# Altium PCB 4 layers.PcbDoc
Units mm, origin at the board's own origin, x right, y up, seen from the top; angles counter-clockwise.
Board outline 110 x 95 mm, 4 copper layers (Top Layer, Int1, Int2, Bottom Layer), stack 1.386 mm thick; 72 components, 74 nets, 357 pads, 0 vias.
Unrouted connection lines stored in the file: 224.
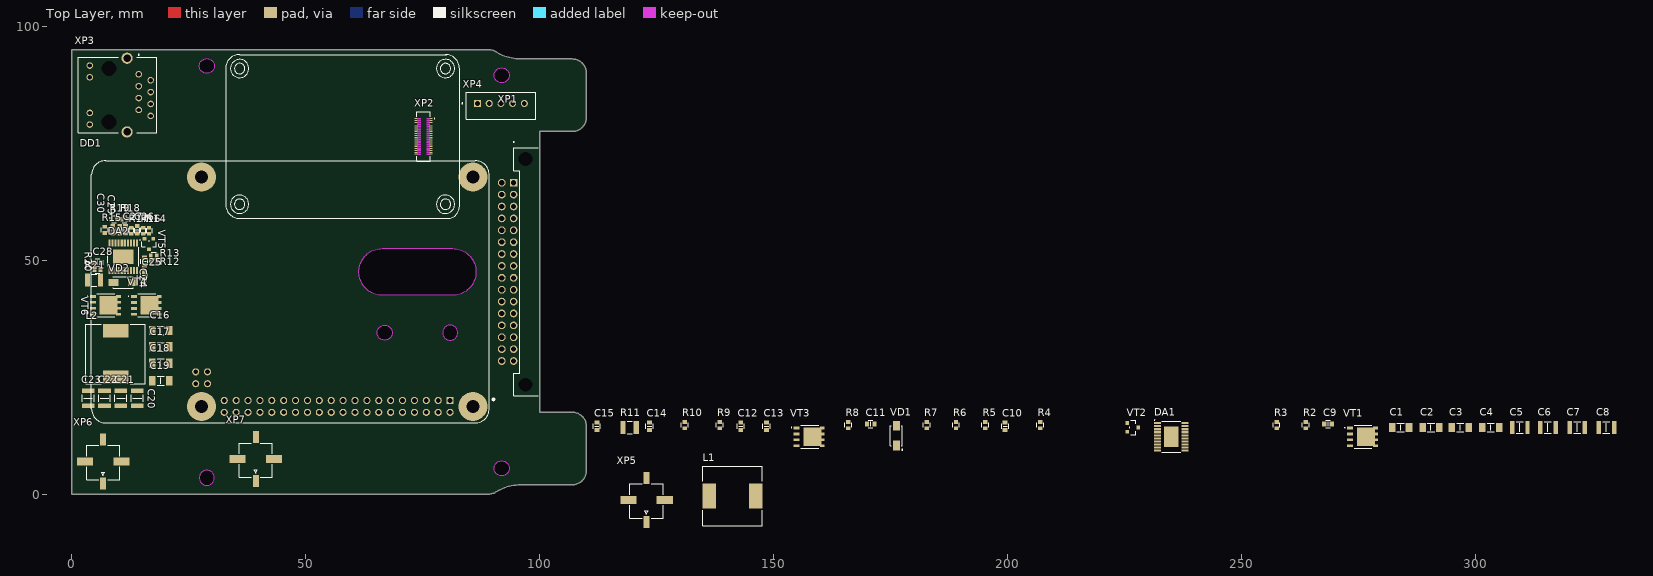
[diagram p0: Top Layer view]
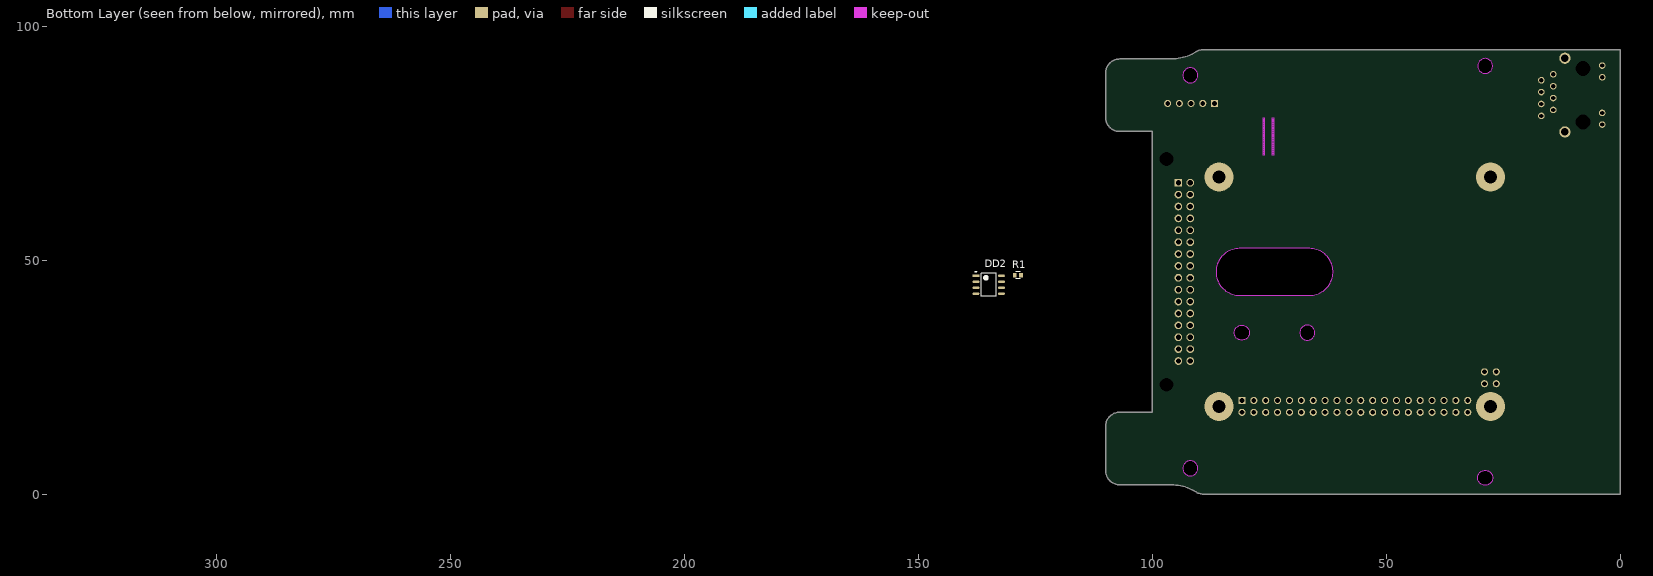
[diagram p1: Bottom Layer view, seen from below]
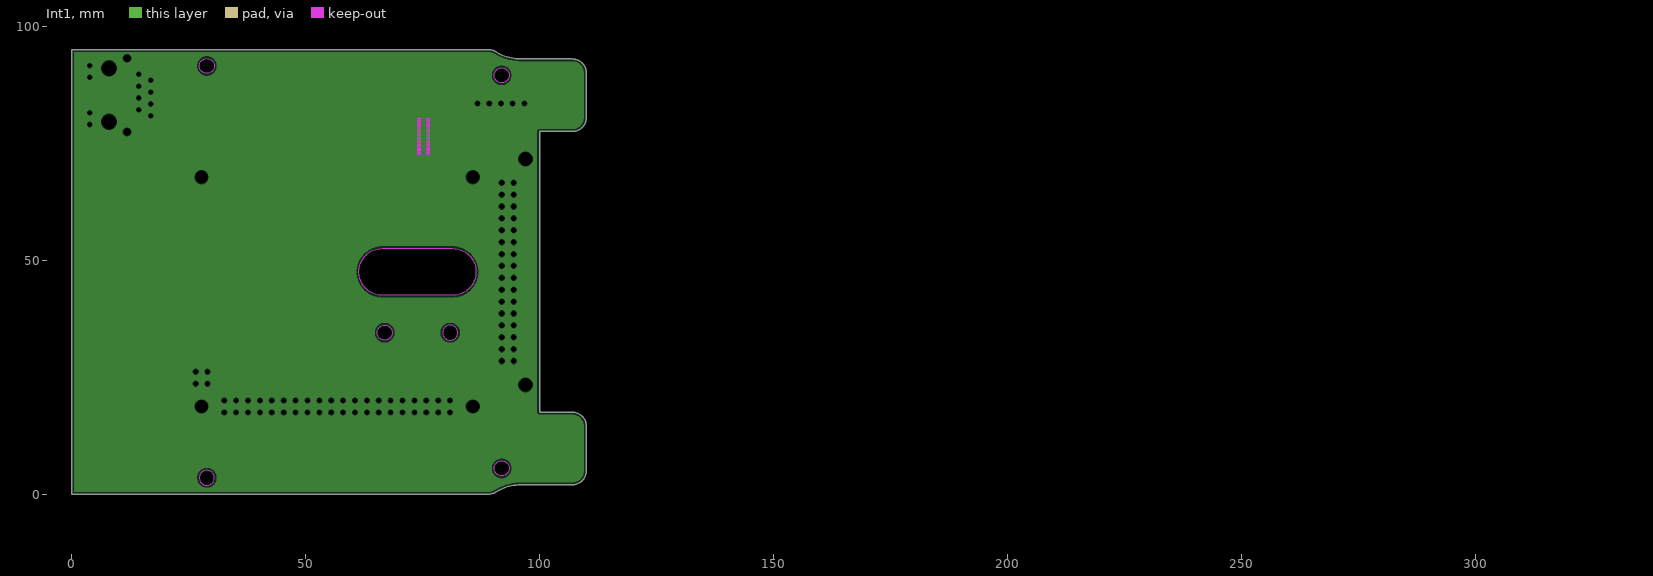
[diagram p2: Int1, clearances drawn from the general rule]
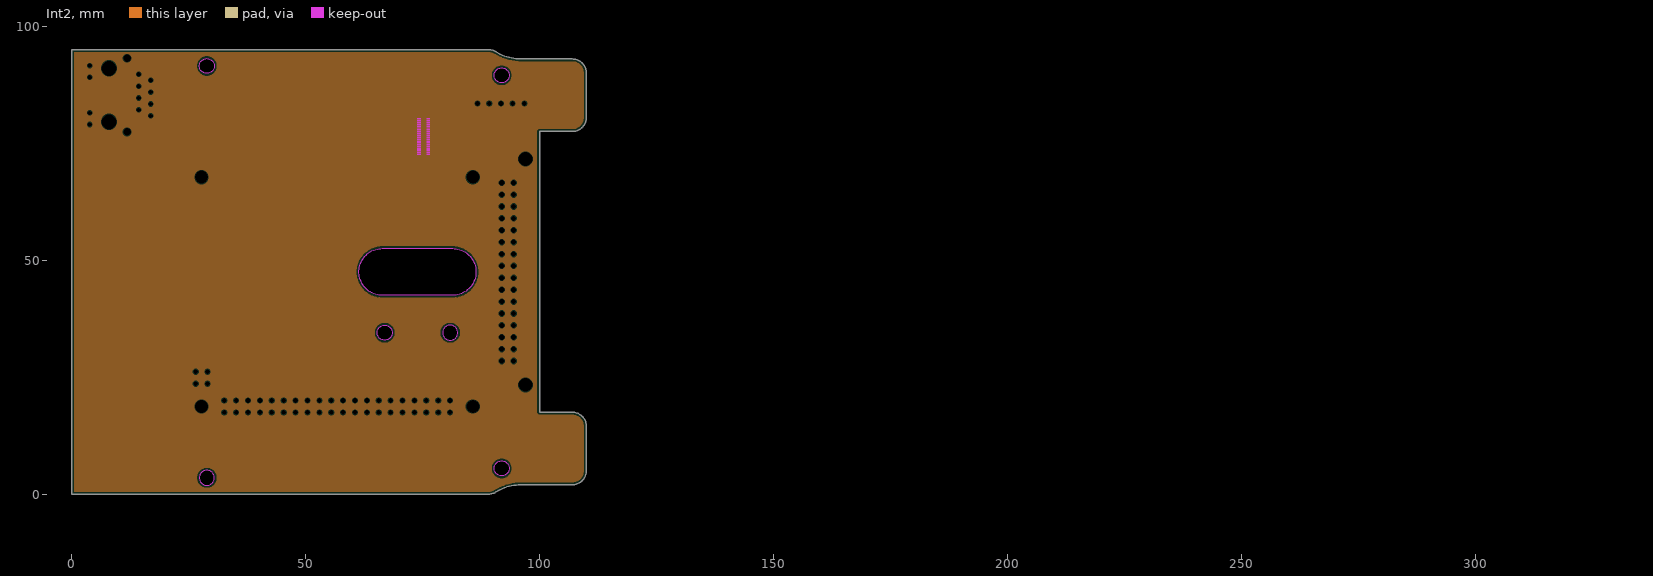
[diagram p3: Int2, clearances drawn from the general rule]

## Layer stack, top to bottom
Top Solder: solder mask 0.0254, SM-001, Dk 3.5
Top Layer: signal copper 0.018
Dielectric 1: prepreg 0.127, FR4, Dk 4.2
Int1: plane copper 0.018
Dielectric 2: core 1.06, FR4 HiTg170, Dk 4.7
Int2: plane copper 0.018
Dielectric 3: prepreg 0.127, FR4, Dk 4.2
Bottom Layer: signal copper 0.018
Bottom Solder: solder mask 0.0254, SM-001, Dk 3.5

## Board outline
0,0 89.072,0 ccw(c89.072,3) 90.671,0.462 cw(c96,-8) 96,2 107,2 ccw(c107,5) 110,5 110,14.5 ccw(c107,14.5) 107,17.5 100,17.5 100,77.5 107,77.5 ccw(c107,80.5) 110,80.5 110,90 ccw(c107,90) 107,93 96,93 cw(c96,103) 90.671,94.538 ccw(c89.072,92) 89.072,95 0,95
cut-out: 90.3,89.5 cw(c91.9,89.5) 91.9,91.1 cw(c91.9,89.5) 93.5,89.5 cw(c91.9,89.5) 91.9,87.9 cw(c91.9,89.5)
cut-out: 66.409,42.5 cw(c66.409,47.5) 66.409,52.5 81.409,52.5 cw(c81.409,47.5) 81.409,42.5
cut-out: 28.9,89.9 cw(c28.9,91.5) 27.3,91.5 cw(c28.9,91.5) 28.9,93.1 cw(c28.9,91.5) 30.5,91.5 cw(c28.9,91.5)
cut-out: 79.309,34.5 ccw(c80.909,34.5) 80.909,32.9 ccw(c80.909,34.5) 82.509,34.5 ccw(c80.909,34.5) 80.909,36.1 ccw(c80.909,34.5)
cut-out: 90.3,5.5 cw(c91.9,5.5) 91.9,7.1 cw(c91.9,5.5) 93.5,5.5 cw(c91.9,5.5) 91.9,3.9 cw(c91.9,5.5)
cut-out: 65.309,34.5 cw(c66.909,34.5) 66.909,36.1 cw(c66.909,34.5) 68.509,34.5 cw(c66.909,34.5) 66.909,32.9 cw(c66.909,34.5)
cut-out: 27.3,3.5 ccw(c28.9,3.5) 28.9,1.9 ccw(c28.9,3.5) 30.5,3.5 ccw(c28.9,3.5) 28.9,5.1 ccw(c28.9,3.5)

## Design rules (kind name [scope] priority, off if disabled: settings)
AcuteAngle [All] p1: minimum=3.50000000000000E+0001 checktracksonly=FALSE
BoardOutlineClearance "BoardOutlineClearance 1" [All] p1: gap=0.25 ignorepadtopadclearanceinfootprint=FALSE except(0: Arc-SplitContinuation Track-SplitContinuation SMDPad-SplitContinuation THPad-SplitContinuation Via-SplitContinuation Fill-SplitContinuation Poly-SplitContinuation Region-SplitContinuation Text-SplitContinuation) // Milling
BoardOutlineClearance "BoardOutlineClearance 2" [All] p2: gap=0.4 ignorepadtopadclearanceinfootprint=FALSE except(0: Arc-SplitContinuation Track-SplitContinuation SMDPad-SplitContinuation THPad-SplitContinuation Via-SplitContinuation Fill-SplitContinuation Poly-SplitContinuation Region-SplitContinuation Text-SplitContinuation) // V-Cut
Clearance "Clearance-1 1/2 Oz" [All] p1: gap=0.125 ignorepadtopadclearanceinfootprint=FALSE except(0.2: Arc-Fill Arc-Poly Track-Fill Track-Poly SMDPad-SMDPad SMDPad-Fill SMDPad-Poly THPad-Fill THPad-Poly Via-Fill Via-Poly Fill-Fill Fill-Poly Poly-Poly Poly-Region Poly-Text; 0.25: Arc-Hole Track-Hole SMDPad-Hole THPad-Hole Via-Hole Fill-Hole Poly-Hole Region-Hole Text-Hole) // Standart
Clearance "Clearance-2 1/2 Oz" [All] p2: gap=0.1 ignorepadtopadclearanceinfootprint=FALSE except(0.15: Arc-Fill Arc-Poly Track-Fill Track-Poly SMDPad-SMDPad SMDPad-Fill SMDPad-Poly THPad-Fill THPad-Poly Via-Fill Via-Poly Fill-Fill Fill-Poly Poly-Poly Poly-Region Poly-Text; 0.25: Arc-Hole Track-Hole SMDPad-Hole THPad-Hole Via-Hole Fill-Hole Poly-Hole Region-Hole Text-Hole) // Advance
DiffPairsRouting DiffPairsRouting_PCIe [InDifferentialPairClass('PCIe')] p1: maxlimit=0.101 minlimit=0.101 mostfreqgap=0.101 toplayer_minwidth=0.1 toplayer_maxwidth=0.1 toplayer_prefwidth=0.1 bottomlayer_minwidth=0.1 bottomlayer_maxwidth=0.1 bottomlayer_prefwidth=0.1 impedanceprofiledriven=TRUE impedanceprofileid={E27F7E04-DA22-4BD8-B395-67B9CAAEB593} impedanceprofilevalue=100.000000 maxuncoupledlength=12.7
DiffPairsRouting DiffPairsRouting_USB [InDifferentialPairClass('USB3.0')] p2: maxlimit=0.127 minlimit=0.127 mostfreqgap=0.127 toplayer_minwidth=0.18 toplayer_maxwidth=0.18 toplayer_prefwidth=0.18 bottomlayer_minwidth=0.18 bottomlayer_maxwidth=0.18 bottomlayer_prefwidth=0.18 impedanceprofiledriven=TRUE impedanceprofileid={974B2C30-D13C-404B-80F3-30DCBE79ECB5} impedanceprofilevalue=90.000000 maxuncoupledlength=12.7
DiffPairsRouting "DiffPairsRouting 1/2 Oz" [All] p3 off: maxlimit=0.254 minlimit=0.1 mostfreqgap=0.254 toplayer_minwidth=0.1 toplayer_maxwidth=0.381 toplayer_prefwidth=0.381 bottomlayer_minwidth=0.1 bottomlayer_maxwidth=0.381 bottomlayer_prefwidth=0.381 maxuncoupledlength=12.7
HoleSize "Minimum HoleSize" [IsPad] p1: absolutevalues=TRUE maxlimit=5.9 minlimit=0.6 maxpercent=80.000 minpercent=20.000
HoleSize "Minimum HoleSize VIA 1" [IsVia] p2: absolutevalues=TRUE maxlimit=5.9 minlimit=0.3 maxpercent=80.000 minpercent=20.000 // Standart
HoleSize "Minimum HoleSize VIA 2" [IsVia] p3: absolutevalues=TRUE maxlimit=5.9 minlimit=0.2 maxpercent=80.000 minpercent=20.000 // Advance
HoleToHoleClearance Hole2HoleClearance [All] p1: gap=0.25 allowstackedmicrovias=FALSE
Length [InNetClass('USB3.0')] p1: maxlimit=65 minlimit=0
MatchedLengths [All] p1: tolerance=0.05 checknetsindiffpair=TRUE checkdiffpairvsdiffpair=FALSE checkxsignals=FALSE checkothers=FALSE phasematching=TRUE phasetolerance=0.1 phasedistance=0.1
MinimumAnnularRing "Minimum AR VIA Standart" [All] p1: minimumring=0.15
MinimumAnnularRing "Minimum AR PAD Standart" [All] p2: minimumring=0.2
MinimumAnnularRing "Minimum AR VIA Advance" [All] p3: minimumring=0.1
MinimumAnnularRing "Minimum AR PAD Advance" [All] p4: minimumring=0.15
MinimumSolderMaskSliver "SolderMask Bridge Standart" [All] p1: minsoldermaskwidth=0.15 // All Masks
MinimumSolderMaskSliver "SolderMask Bridge Advance" [All] p2: minsoldermaskwidth=0.1 // Mask LDI
PlaneClearance "PlaneClearance-1 1/2 Oz" [All] p1: clearance=0.2 // Standart
PlaneClearance "PlaneClearance-2 1/2 Oz" [All] p2: clearance=0.15 // Advance
PlaneConnect "TermalConnect-1 1/2 Oz" [All] p1: planeconnectstyle=Relief reliefexpansion=0.2 reliefentries=4 reliefconductorwidth=0.2 reliefairgap=0.2 // Standart
PlaneConnect "TermalConnect-2 1/2 Oz" [All] p2: pad.planeconnectstyle=Relief pad.reliefexpansion=0.15 pad.reliefentries=4 pad.reliefconductorwidth=0.15 pad.reliefairgap=0.15 via.planeconnectstyle=Direct via.reliefexpansion=0.15 via.reliefentries=4 via.reliefconductorwidth=0.15 via.reliefairgap=0.15 // Advance
PolygonConnect "PolygonConnect-1 1/2 Oz" [All] p1: thpad.connectstyle=Relief thpad.reliefconductorwidth=0.15 thpad.reliefentries=4 thpad.polygonreliefangle="90 Angle" thpad.airgapwidth=0.2 smdpad.connectstyle=Relief smdpad.reliefconductorwidth=0.2 smdpad.reliefentries=4 smdpad.polygonreliefangle="90 Angle" smdpad.airgapwidth=0.2 via.connectstyle=Direct via.reliefconductorwidth=0.254 via.reliefentries=4 via.polygonreliefangle="90 Angle" via.airgapwidth=0.254 // Standart
PolygonConnect "PolygonConnect-2 1/2 Oz" [All] p2: thpad.connectstyle=Relief thpad.reliefconductorwidth=0.125 thpad.reliefentries=4 thpad.polygonreliefangle="90 Angle" thpad.airgapwidth=0.15 smdpad.connectstyle=Relief smdpad.reliefconductorwidth=0.125 smdpad.reliefentries=4 smdpad.polygonreliefangle="90 Angle" smdpad.airgapwidth=0.15 via.connectstyle=Direct via.reliefconductorwidth=0.254 via.reliefentries=4 via.polygonreliefangle="90 Angle" via.airgapwidth=0.254 // Advance
RoomDefinition [InComponentClass('DCDC_RPI') vs False] p1: confinementstyle=ConfineIn formatcopy=TRUE lockcomponents=FALSE outline 1.536,17.73 22.036,17.73 22.036,59.98 1.536,59.98
RoutingCorners [All] p1 off: cornerstyle=45-Degree minsetback=2.54 maxsetback=2.54
RoutingVias [All] p1: holewidth=0.3 width=0.6 viastyle="Through Hole" minholewidth=0.2 minwidth=0.4 maxholewidth=5.9 maxwidth=6.4
SilkToSilkClearance Silk2SilkClearance [All] p1 off: silktosilkclearance=0.15
SilkToSolderMaskClearance Silk2SolderMaskClearance [IsPad] p1 off: minsilkscreentomaskgap=0.15 clearancetoexposedcopper=TRUE
SolderMaskExpansion SolderMaskExpansion-1 [All] p1: expansion=0.05 istentingtop=FALSE // Standart
SolderMaskExpansion "SolderMaskExpansion LDI" [All] p2: expansion=0.025 istentingtop=FALSE // Advance
SupplyNets "Schematic Supply Nets_6" [InNet('+V_BAT')] p1: voltage=0.000
SupplyNets "Schematic Supply Nets_3" [InNet('+12В')] p2: voltage=0.000
SupplyNets "Schematic Supply Nets_1" [InNet('5V')] p3: voltage=0.000
SupplyNets "Schematic Supply Nets_4" [InNet('GND')] p4: voltage=0.000
SupplyNets "Schematic Supply Nets" [InNet('+5В')] p5: voltage=0.000
UnRoutedNet [All] p1: checkbadconnections=TRUE
Width "Width 1/2 Oz" [All] p1: maxlimit=10 minlimit=0.1 preferedwidth=0.125 checkconnectedcopper=TRUE
20 further rules are at their usual default settings.

## Classes and differential pairs
component class Sheet1: DD1 DD2 R1
component class DCDC_RPI: C16 C17 C18 C19 C20 C21 C22 C23 C24 C25 C26 C27 C28 C29 C30 DA2 L2 R12 R13 R14 R15 R16 R17 R18 R19 R20 R21 VD2 VT4 VT5 VT6
component class DCDC_Jetson: C1 C2 C3 C4 C5 C6 C7 C8 C9 C10 C11 C12 C13 C14 C15 DA1 L1 R2 R3 R4 R5 R6 R7 R8 R9 R10 R11 VD1 VT1 VT2 VT3 XP7
component class Connectors: XP1 XP2 XP3 XP4 XP5 XP6
differential pair RS485: +RS485_P -RS485_N
differential pair "ethernet 4": +"ethernet 4_P" -"ethernet 4_N"
differential pair "ethernet 3": +"ethernet 3_P" -"ethernet 3_N"
differential pair "ethernet 2": +"ethernet 2_P" -"ethernet 2_N"
differential pair "ethernet 1": +"ethernet 1_P" -"ethernet 1_N"

## Components (designator, comment, footprint, x,y, rotation, side; value= is the part's Value field where it differs from the comment)
C1 "Capacitor" 1206C 283.999,14.25 r0 top value="2,2 мк"
C2 "Capacitor" 1206C 290.499,14.25 r0 top value="2,2 мк"
C3 "Capacitor" 1206C 296.749,14.25 r0 top value="2,2 мк"
C4 "Capacitor" 1206C 303.249,14.25 r0 top value="2,2 мк"
C5 "Capacitor" 1210C 309.499,14.25 r0 top value="22 мк"
C6 "Capacitor" 1210C 315.499,14.25 r0 top value="22 мк"
C7 "Capacitor" 1210C 321.749,14.25 r0 top value="22 мк"
C8 "Capacitor" 1210C 327.999,14.25 r0 top value="22 мк"
C9 "Capacitor" 0603C 268.499,15 r0 top value="0,1 мк"
C10 "Capacitor" 0603C 199.5,14.5 r90 top value="1 мк"
C11 "Capacitor" 0603C 170.75,15 r0 top value="0,75 н"
C12 "Capacitor" 0603C 143,14.5 r90 top value="10 н"
C13 "Capacitor" 0603C 148.5,14.5 r90 top value="1 мк"
C14 "Capacitor" 0603C 123.5,14.5 r90 top value="0,01 н"
C15 "Capacitor" 0603C 112.25,14.5 r90 top value="0,15 н"
C16 "Capacitor" 1206C 19.036,34.98 r180 top value="2,2 мк"
C17 "Capacitor" 1206C 19.036,31.48 r180 top value="2,2 мк"
C18 "Capacitor" 1206C 19.036,27.98 r180 top value="2,2 мк"
C19 "Capacitor" 1206C 19.036,24.23 r180 top value="2,2 мк"
C20 "Capacitor" 1210C 14.036,20.48 r270 top value="22 мк"
C21 "Capacitor" 1210C 10.536,20.48 r270 top value="22 мк"
C22 "Capacitor" 1210C 7.036,20.48 r270 top value="22 мк"
C23 "Capacitor" 1210C 3.536,20.48 r270 top value="22 мк"
C24 "Capacitor" 0603C 15.536,49.73 r270 top value="0,1 мк"
C25 "Capacitor" 0603C 15.536,46.73 r90 top value="1 мк"
C26 "Capacitor" 0603C 14.036,56.48 r270 top value="0,75 н"
C27 "Capacitor" 0603C 11.536,56.48 r270 top value="10 н"
C28 "Capacitor" 0603C 5.536,49.48 r180 top value="1 мк"
C29 "Capacitor" 0603C 10.286,56.48 r90 top value="0,01 н"
C30 "Capacitor" 0603C 8.786,56.48 r90 top value="0,15 н"
DA1 "LM5116MH" HTSSOP-20 234.999,12.25 r0 top
DA2 "LM5116MH" HTSSOP-20 11.036,50.73 r270 top
DD1 "RPI" RPI 46.75,43.25 r180 top
DD2 "MAX485CSA" SOIC-8 135,44.75 r180 bottom
L1 "CDSPRH127-150M" SPRH127 141,-0.25 r0 top value="15 мк"
L2 "CDSPRH127-150M" SPRH127 9.536,30.23 r270 top value="15 мк"
R1 "Resistor" 0603R 128.75,46.75 r180 bottom value=120
R2 "Resistor" 0603R 263.749,14.75 r90 top value="33 к"
R3 "Resistor" 0603R 257.499,14.75 r90 top value=N/A
R4 "Resistor" 0603R 207,14.75 r90 top value="2,7 к"
R5 "Resistor" 0603R 195.25,14.75 r90 top value="10,7 к"
R6 "Resistor" 0603R 189,14.75 r90 top value="12,4 к"
R7 "Resistor" 0603R 182.75,14.75 r90 top value="470 к"
R8 "Resistor" 0603R 166,14.75 r90 top value="1,21 к"
R9 "Resistor" 0603R 138.5,14.75 r90 top value="180 к"
R10 "Resistor" 0603R 131,14.75 r90 top value="10 к"
R11 "Resistor" 1210R 119.25,14.25 r0 top value="10 м"
R12 "Resistor" 0603R 17.536,49.73 r0 top value="33 к"
R13 "Resistor" 0603R 17.536,50.98 r180 top value=N/A
R14 "Resistor" 0603R 16.536,56.28 r270 top value="2,7 к"
R15 "Resistor" 0603R 7.036,56.48 r270 top value="10,7 к"
R16 "Resistor" 0603R 15.286,56.28 r270 top value="12,4 к"
R17 "Resistor" 0603R 12.786,56.28 r270 top value="470 к"
R18 "Resistor" 0603R 11.286,58.73 r180 top value="1,21 к"
R19 "Resistor" 0603R 9.036,58.73 r0 top value="180 к"
R20 "Resistor" 0603R 5.536,47.98 r180 top value="10 к"
R21 "Resistor" 1210R 4.786,45.73 r0 top value="10 м"
VD1 "ES1D-E3/61T" SMA 176.25,12.5 r90 top
VD2 "ES1D-E3/61T" SMA 11.036,45.23 r180 top
VT1 "SIR426DP-T1-GE3" PowerPAK_SO-8 275.749,12.25 r0 top
VT2 "PDTC114ET" SOT23-3 226.749,14.25 r0 top
VT3 "SIR426DP-T1-GE3" PowerPAK_SO-8 157.5,12.25 r0 top
VT4 "SIR426DP-T1-GE3" PowerPAK_SO-8 15.829,40.345 r0 top
VT5 "PDTC114ET" SOT23-3 16.536,53.48 r270 top
VT6 "SIR426DP-T1-GE3" PowerPAK_SO-8 7.079,40.365 r0 top
XP1 "DIN41612_32_2row_right_angle_father" DIN41612_32_2row_right_angle_father 99.76,47.5 r90 top locked
XP2 "DF40C-40DS" DF40C-40DS 75.21,76.45 r270 top
XP3 "1734577-3" 1-1734577-3-rj45-8p8c 14.35,89.73 r90 top
XP4 "CWF-5" CWF-5 91.75,82.975 r180 top
XP5 "430450218" Molex_430450218 122.865,-1.25 r0 top
XP6 "430450218" Molex_430450218 6.75,7 r0 top
XP7 "430450218" Molex_430450218 39.365,7.5 r0 top

## Footprints (in the part's own frame and the unit in brackets; to place one, negate y for a bottom-side part, rotate by r counter-clockwise, add the part's x,y. Pads: shape width x height; smd on the part's side, far side on the other; paste and mask are expansions set on the pad)
1-1734577-3-rj45-8p8c [mm]
  round 1.4 hole 0.9: 1(0,0) 2(-1.27,-2.54) 3(-2.54,0) 4(-3.81,-2.54) 5(-5.08,0) 6(-6.35,-2.54) 7(-7.62,0) 8(-8.89,-2.54) 9(-10.745,10.46) 10(-8.255,10.46) 11(-0.635,10.46) 12(1.855,10.46)
  round 2.4 hole 1.6: MH1(3.43,2.5) MH2(-12.32,2.5)
  round 0 hole 3.2 unplated: MH3(1.27,6.35) MH4(-10.16,6.35)
  silkscreen extent -12.52,-3.8 4.25,12.9, body extent -12.52,-3.8 3.63,12.9, height 16.55
0603C [mm] "Chip Resistor, 2-Leads, Body 1,40x0,80mm, IPC Medium Density"
  rect 0.9x1.05 smd: 1(-0.8,0) 2(0.8,0)
  silkscreen extent -0.5,-0.77 0.5,0.77, body extent -0.85,-0.45 0.85,0.45, height 0.9
0603R [mm] "Chip Resistor, 2-Leads, Body 1.60x0.85mm, IPC Medium Density"
  rect 0.8x0.95 smd: 1(-0.65,0) 2(0.65,0)
  silkscreen extent -0.5,-0.72 0.5,0.72, body extent -0.87,-0.47 0.88,0.48, height 0.9
1206C [mm]
  rect 1.4x2 smd paste+0: 1(-1.8,0) 2(1.8,0)
  silkscreen extent -0.77,-0.92 0.77,0.92, body extent -1.6,-0.74 1.6,0.86, height 1.59
1210C [mm]
  rect 0.954x2.706 smd paste+0: 1(-1.625,0) 2(1.625,0)
  silkscreen extent -0.75,-1.28 0.75,1.28, body extent -2.35,-1.6 2.35,1.6, height 0.25
1210R [mm]
  rect 1.1x2.77 smd: 1(-1.413,0) 2(1.413,0)
  silkscreen extent -0.55,-1.3 0.55,1.3, body extent -1.55,-1.3 1.55,1.3, height 0.65
CWF-5 [mm] "B5B-XH-A"
  rect 1.508x1.508 / inner round 1.508 / far side rect 1.508x1.508 hole 1: 1(5,-0.525)
  round 1.508 hole 1: 2(2.5,-0.525) 3(0,-0.525) 4(-2.5,-0.525) 5(-5,-0.525)
  silkscreen extent -7.45,-2.88 8.35,2.88, body extent -7.45,-2.88 7.45,2.88, height 7
DF40C-40DS [mm]
  rect 0.2x0.7 smd paste-1: 1(-3.8,1.54) 2(-3.8,-1.54) 3(-3.4,1.54) 4(-3.4,-1.54) 5(-3,1.54) 6(-3,-1.54) 7(-2.6,1.54) 8(-2.6,-1.54) 9(-2.2,1.54) 10(-2.2,-1.54) 11(-1.8,1.54) 12(-1.8,-1.54) 13(-1.4,1.54) 14(-1.4,-1.54) 15(-1,1.54) 16(-1,-1.54) 17(-0.6,1.54) 18(-0.6,-1.54) 19(-0.2,1.54) 20(-0.2,-1.54) 21(0.2,1.54) 22(0.2,-1.54) 23(0.6,1.54) 24(0.6,-1.54) 25(1,1.54) 26(1,-1.54) 27(1.4,1.54) 28(1.4,-1.54) 29(1.8,1.54) 30(1.8,-1.54) 31(2.2,1.54) 32(2.2,-1.54) 33(2.6,1.54) 34(2.6,-1.54) 35(3,1.54) 36(3,-1.54) 37(3.4,1.54) 38(3.4,-1.54) 39(3.8,1.54) 40(3.8,-1.54)
  Keep-Out Layer region: 0.7,0.75 0.5,0.75 0.5,1.19 0.7,1.19
  Keep-Out Layer region: 1.1,0.75 0.9,0.75 0.9,1.19 1.1,1.19
  Keep-Out Layer region: 1.5,0.75 1.3,0.75 1.3,1.19 1.5,1.19
  Keep-Out Layer region: 1.9,0.75 1.7,0.75 1.7,1.19 1.9,1.19
  Keep-Out Layer region: 2.3,0.75 2.1,0.75 2.1,1.19 2.3,1.19
  Keep-Out Layer region: 2.7,0.75 2.5,0.75 2.5,1.19 2.7,1.19
  Keep-Out Layer region: 3.1,0.75 2.9,0.75 2.9,1.19 3.1,1.19
  Keep-Out Layer region: 3.5,0.75 3.3,0.75 3.3,1.19 3.5,1.19
  Keep-Out Layer region: 3.9,0.75 3.7,0.75 3.7,1.19 3.9,1.19
  Keep-Out Layer region: -3.7,0.75 -3.9,0.75 -3.9,1.19 -3.7,1.19
  Keep-Out Layer region: -3.3,0.75 -3.5,0.75 -3.5,1.19 -3.3,1.19
  Keep-Out Layer region: -2.9,0.75 -3.1,0.75 -3.1,1.19 -2.9,1.19
  Keep-Out Layer region: -2.5,0.75 -2.7,0.75 -2.7,1.19 -2.5,1.19
  Keep-Out Layer region: -2.1,0.75 -2.3,0.75 -2.3,1.19 -2.1,1.19
  Keep-Out Layer region: -1.7,0.75 -1.9,0.75 -1.9,1.19 -1.7,1.19
  Keep-Out Layer region: -1.3,0.75 -1.5,0.75 -1.5,1.19 -1.3,1.19
  Keep-Out Layer region: -0.9,0.75 -1.1,0.75 -1.1,1.19 -0.9,1.19
  Keep-Out Layer region: -0.5,0.75 -0.7,0.75 -0.7,1.19 -0.5,1.19
  Keep-Out Layer region: 0.3,0.75 0.1,0.75 0.1,1.19 0.3,1.19
  Keep-Out Layer region: 0.3,0.75 0.1,0.75 0.1,1.19 0.3,1.19
  Keep-Out Layer region: -0.1,0.75 -0.3,0.75 -0.3,1.19 -0.1,1.19
  Keep-Out Layer region: 0.7,-1.19 0.5,-1.19 0.5,-0.75 0.7,-0.75
  Keep-Out Layer region: 1.1,-1.19 0.9,-1.19 0.9,-0.75 1.1,-0.75
  Keep-Out Layer region: 1.5,-1.19 1.3,-1.19 1.3,-0.75 1.5,-0.75
  Keep-Out Layer region: 1.9,-1.19 1.7,-1.19 1.7,-0.75 1.9,-0.75
  Keep-Out Layer region: 2.3,-1.19 2.1,-1.19 2.1,-0.75 2.3,-0.75
  Keep-Out Layer region: 2.7,-1.19 2.5,-1.19 2.5,-0.75 2.7,-0.75
  Keep-Out Layer region: 3.1,-1.19 2.9,-1.19 2.9,-0.75 3.1,-0.75
  Keep-Out Layer region: 3.5,-1.19 3.3,-1.19 3.3,-0.75 3.5,-0.75
  Keep-Out Layer region: 3.9,-1.19 3.7,-1.19 3.7,-0.75 3.9,-0.75
  Keep-Out Layer region: -3.7,-1.19 -3.9,-1.19 -3.9,-0.75 -3.7,-0.75
  Keep-Out Layer region: -3.3,-1.19 -3.5,-1.19 -3.5,-0.75 -3.3,-0.75
  Keep-Out Layer region: -2.9,-1.19 -3.1,-1.19 -3.1,-0.75 -2.9,-0.75
  Keep-Out Layer region: -2.5,-1.19 -2.7,-1.19 -2.7,-0.75 -2.5,-0.75
  Keep-Out Layer region: -2.1,-1.19 -2.3,-1.19 -2.3,-0.75 -2.1,-0.75
  Keep-Out Layer region: -1.7,-1.19 -1.9,-1.19 -1.9,-0.75 -1.7,-0.75
  Keep-Out Layer region: -1.3,-1.19 -1.5,-1.19 -1.5,-0.75 -1.3,-0.75
  Keep-Out Layer region: -0.9,-1.19 -1.1,-1.19 -1.1,-0.75 -0.9,-0.75
  Keep-Out Layer region: -0.5,-1.19 -0.7,-1.19 -0.7,-0.75 -0.5,-0.75
  Keep-Out Layer region: 0.3,-1.19 0.1,-1.19 0.1,-0.75 0.3,-0.75
  Keep-Out Layer region: 0.3,-1.19 0.1,-1.19 0.1,-0.75 0.3,-0.75
  Keep-Out Layer region: -0.1,-1.19 -0.3,-1.19 -0.3,-0.75 -0.1,-0.75
  Keep-Out Layer region: 0.3,0.75 0.1,0.75 0.1,1.19 0.3,1.19
  Keep-Out Layer region: 0.3,-1.19 0.1,-1.19 0.1,-0.75 0.3,-0.75
  silkscreen extent -5.3,-1.44 5.3,2.42, body extent -5.3,-1.66 5.3,1.72, height 1.4
DIN41612_32_2row_right_angle_father [mm]
  rect 1.65x1.65 / inner round 1.65 / far side rect 1.65x1.65 hole 1.1: A1(19.05,5.3)
  round 1.65 hole 1.1: A2(16.51,5.3) A3(13.97,5.3) A4(11.43,5.3) A5(8.89,5.3) A6(6.35,5.3) A7(3.81,5.3) A8(1.27,5.3) A9(-1.27,5.3) A10(-3.81,5.3) A11(-6.35,5.3) A12(-8.89,5.3) A13(-11.43,5.3) A14(-13.97,5.3) A15(-16.51,5.3) A16(-19.05,5.3) B1(19.05,7.84) B2(16.51,7.84) B3(13.97,7.84) B4(11.43,7.84) B5(8.89,7.84) B6(6.35,7.84) B7(3.81,7.84) B8(1.27,7.84) B9(-1.27,7.84) B10(-3.81,7.84) B11(-6.35,7.84) B12(-8.89,7.84) B13(-11.43,7.84) B14(-13.97,7.84) B15(-16.51,7.84) B16(-19.05,7.84)
  round 0 hole 2.9 unplated: ""(-24.13,2.76) ""(24.13,2.76)
  silkscreen extent -26.5,0 27.85,5.4, body extent -26.52,-7.28 26.53,8.18, height 6.84
HTSSOP-20 [mm]
  rect 1.45x0.45 smd mask+0.051: 1(-2.925,2.925) 2(-2.925,2.275) 3(-2.925,1.625) 4(-2.925,0.975) 5(-2.925,0.325) 6(-2.925,-0.325) 7(-2.925,-0.975) 8(-2.925,-1.625) 9(-2.925,-2.275) 10(-2.925,-2.925) 11(2.925,-2.925) 12(2.925,-2.275) 13(2.925,-1.625) 14(2.925,-0.975) 15(2.925,-0.325) 16(2.925,0.325) 17(2.925,0.975) 18(2.925,1.625) 19(2.925,2.275) 20(2.925,2.925)
  rect 3.15x4.35 smd: 21(0,0)
  silkscreen extent -3.61,-3.3 2.03,3.61, body extent -3.21,-3.25 3.21,3.25, height 1
Molex_430450218 [mm]
  rect 3.43x1.65 smd mask+0.076: 0(-3.885,0) 0(3.885,0)
  rect 1.27x2.54 smd mask+0.076: 1(0,-4.7) 2(0,4.7)
  silkscreen extent -3.56,-3.94 3.56,3.43, body extent -5.32,-5.6 5.33,5.6, height 9.96
PowerPAK_SO-8 [mm]
  rect 1.27x0.61 smd: 1(-2.543,1.905) 2(-2.543,0.635) 3(-2.543,-0.635) 4(-2.543,-1.905)
  rect 1.02x0.61 smd: 5(2.921,-1.905) 8(2.921,1.905)
  rect 0.71x0.61 smd: 6(3.077,-0.635) 7(3.077,0.635)
  rect 3.81x3.91 smd: 9(0.83,0)
  silkscreen extent -3.72,-2.45 2.13,2.45, body extent -2.95,-2.58 3.2,2.58, height 1.12
RPI [mil]
  rect 60x60 / inner round 60 / far side rect 60x60 hole 40: 1(-1343.7,914.57)
  round 60 hole 40: 2(-1343.7,1014.57) 3(-1243.7,914.57) 4(-1243.7,1014.57) 5(-1143.7,914.57) 6(-1143.7,1014.57) 7(-1043.7,914.57) 8(-1043.7,1014.57) 9(-943.7,914.57) 10(-943.7,1014.57) 11(-843.7,914.57) 12(-843.7,1014.57) 13(-743.7,914.57) 14(-743.7,1014.57) 15(-643.7,914.57) 16(-643.7,1014.57) 17(-543.7,914.57) 18(-543.7,1014.57) 19(-443.7,914.57) 20(-443.7,1014.57) 21(-343.7,914.57) 22(-343.7,1014.57) 23(-243.7,914.57) 24(-243.7,1014.57) 25(-143.7,914.57) 26(-143.7,1014.57) 27(-43.7,914.57) 28(-43.7,1014.57) 29(56.3,914.57) 30(56.3,1014.57) 31(156.3,914.57) 32(156.3,1014.57) 33(256.3,914.57) 34(256.3,1014.57) 35(356.3,914.57) 36(356.3,1014.57) 37(456.3,914.57) 38(456.3,1014.57) 39(556.3,914.57) 40(556.3,1014.57) 41(796.46,673.5) 42(796.46,773.5) 43(696.46,673.5) 44(696.46,773.5)
  round 244.09 hole 108.27: S1(-1535.43,964.57) S2(748.03,964.57) S3(748.03,-964.57) S4(-1535.43,-964.57)
  silkscreen extent -1717,-1102 1673,1102, body extent -1680,-1188 1777,1095, height 1122
SMA [mm]
  rect 2.12x1.5 smd: 1(2.115,0) 2(-2.115,0)
  silkscreen extent -3.1,-1.35 2.16,1.28, body extent -2.57,-1.28 2.57,1.28, height 2.5
SOIC-8 [mm] "for operational amplifier"
  rect 1.45x0.6 smd: 1(-2.725,1.905)
  oval 1.45x0.6 smd: 2(-2.725,0.635) 3(-2.725,-0.635) 4(-2.725,-1.905) 5(2.725,-1.905) 6(2.725,-0.635) 7(2.725,0.635) 8(2.725,1.905)
  silkscreen extent -2.85,-2.5 1.6,2.88, body extent -3,-2.5 3,2.5, height 1.75
SOT23-3 [mil]
  rect 30x30 smd: 1(-44.29,37.4) 2(-44.29,-37.6) 3(45.71,-0.1)
  silkscreen extent -25,-59 26,59, body extent -48,-60 50,59, height 41
SPRH127 [mm]
  rect 2.9x5.4 smd: 1(-4.696,-0.127) 2(5.204,-0.127)
  silkscreen extent -6.1,-6.48 6.6,6.22, body extent -5.75,-6.13 6.25,5.87, height 8.05

## Part data
C1 C2 C3 C4 C16 C17 C18 C19: library part Capacitor_2,2u_10_50V_X7R_1206C, "Конденсатор", Capacity (nF)=2200, Dielectric=X7R, Tolerance=0,1, Voltage (V)=50, Library Path2=Schematic\Capacitor.SchLib, Part Number=Capacitor_2,2u_10_50V_X7R_1206C
C5 C6 C7 C8 C20 C21 C22 C23: library part Capacitor_22u_10_25V_X7R_1210C, "Конденсатор", Capacity (nF)=22000, Dielectric=X7R, Tolerance=0,1, Voltage (V)=25, Library Path2=Schematic\Capacitor.SchLib, Part Number=Capacitor_22u_10_25V_X7R_1210C
C9 C24: library part Capacitor_0,1u_10_50V_X7R_0603C, "Конденсатор", Capacity (nF)=100, Dielectric=X7R, Tolerance=0,1, Voltage (V)=50, Library Path2=Schematic\Capacitor.SchLib, Part Number=Capacitor_0,1u_10_50V_X7R_0603C
C10 C13 C25 C28: library part Capacitor_1u_10_50V_X7R_0603C, "Конденсатор", Capacity (nF)=1000, Dielectric=X7R, Tolerance=0,1, Voltage (V)=50, Library Path2=Schematic\Capacitor.SchLib, Part Number=Capacitor_1u_10_50V_X7R_0603C
C11 C26: library part Capacitor_0,75n_10_50V_X7R_0603C, "Конденсатор", Capacity (nF)=0,75, Dielectric=X7R, Tolerance=0,1, Voltage (V)=50, Library Path2=Schematic\Capacitor.SchLib, Part Number=Capacitor_0,75n_10_50V_X7R_0603C
C12 C27: library part Capacitor_10n_10_50V_X7R_0603C, "Конденсатор", Capacity (nF)=10, Dielectric=X7R, Tolerance=0,1, Voltage (V)=50, Library Path2=Schematic\Capacitor.SchLib, Part Number=Capacitor_10n_10_50V_X7R_0603C
C14 C29: library part Capacitor_0,01n_10_50V_X7R_0603C, "Конденсатор", Capacity (nF)=0,01, Dielectric=X7R, Tolerance=0,1, Voltage (V)=50, Library Path2=Schematic\Capacitor.SchLib, Part Number=Capacitor_0,01n_10_50V_X7R_0603C
C15 C30: library part Capacitor_0,15n_10_50V_X7R_0603C, "Конденсатор", Capacity (nF)=0,15, Dielectric=X7R, Tolerance=0,1, Voltage (V)=50, Library Path2=Schematic\Capacitor.SchLib, Part Number=Capacitor_0,15n_10_50V_X7R_0603C
DA1 DA2: "dc-dc понижающий adj 6-100v", Manufacturer_Part_Number=LM5116MH/NOPB, Part Number=LM5116MH
DD1: "Одноплатный компьютер Raspberry PI 4B", Part Number=RPI
DD2: "RS-485 приёмопередатчик", Part Number=MAX485CSA
L1 L2: "Индуктивность на 15 мкГн, номинальный ток 8,4 А", Current (A)=8,4, Inductance (μH)=15, Part Number=CDSPRH127-150M
R1: library part Resistor_120_1_0603, "Резистор номиналом 120 Ом и точностью 1%", Tolerance=1%, Part Number=Resistor_120_1_0603
R2 R12: library part Resistor_33k_1_0603, "Резистор номиналом 33 кОм и точностью 1%", Tolerance=1%, Part Number=Resistor_33k_1_0603
R3 R13: library part res_0603_N/A, "посадочное место 0603 под перемычку", Tolerance=1%, Part Number=res_0603_N/A
R4 R14: library part Resistor_2.7k_1_0603, "Резистор номиналом 2,7 кОм и точностью 1%", Tolerance=1%, Part Number=Resistor_2.7k_1_0603
R5 R15: library part Resistor_10.7k_1_0603, "Резистор номиналом 10,7 кОм и точностью 1%", Tolerance=1%, Part Number=Resistor_10.7k_1_0603
R6 R16: library part Resistor_12.4k_1_0603, "Резистор номиналом 12,4 кОм и точностью 1%", Tolerance=1%, Part Number=Resistor_12.4k_1_0603
R7 R17: library part Resistor_470k_1_0603, "Резистор номиналом 470 кОм и точностью 1%", Tolerance=1%, Part Number=Resistor_470k_1_0603
R8 R18: library part Resistor_1.21k_1_0603, "Резистор номиналом 1,21 кОм и точностью 1%", Tolerance=1%, Part Number=Resistor_1.21k_1_0603
R9 R19: library part Resistor_180k_1_0603, "Резистор номиналом 180 кОм и точностью 1%", Tolerance=1%, Part Number=Resistor_180k_1_0603
R10 R20: library part Resistor_10k_1_0603, "Резистор номиналом 10 кОм и точностью 1%", Tolerance=1%, Part Number=Resistor_10k_1_0603
R11 R21: library part RL1210FR-070R01L, "Резистор номиналом 10 мОм, точностью 1%, 0.5Вт", Tolerance=1%, Part Number=RL1210FR-070R01L
VD1 VD2: "Диод 1A 200V", Current (A)=1, Repetitive peak reverse voltage (Vrrm)=200, Part Number=ES1D-E3/61T
VT1 VT3 VT4 VT6: "Транзистор полевой MOSFET N-канальный 40В 41.7Вт", Part Number=SIR426DP-T1-GE3, Напряжение С-И/К-Э="40 В"
VT2 VT5: "цифровой npn 50в 100мА", Part Number=PDTC114ET, Напряжение С-И/К-Э="50 В", Ток макс#="0, 1 А"
XP1: "DIN41612R (DS1118-32M0R23), Разъем (вилка) тип B 32pin (2х16), шаг 2.54мм двухрядный угловой (ряд АВ)", Part Number=DIN41612_32_2row_right_angle_father
XP2: "Разъем плата-плата 40 пинов, папа, шаг 0.4мм", Value1=+5В, Value5=GND, Value6=UART1_RX, Value7=UART1_TX, Value9=PWM4, Value10=PWM3, Value12=PWM2, Value13=PWM1, Value15=Vbat1, Value17=Vbat2, Value19=N.C., Part Number=DF40C-40DS, System=Connector, Value2=+5В, Value3=+5В, Value4=+5В, Value8=GND, Value11=GND, Value14=GND, Value16=GND, Value18=GND, Value20=GND
XP3: library part 1-1734577-3-rj45-8p8c, "Модульный разъем, Cat3, RJ45, Гнездо, 8 контакт(-ов), 8 вывод(-ов), 1 порт(-ов)", Part Number=1-1734577-3-rj45-8p8c
XP4: "5-пиновый разъем с ключом", Value1=+5В, Value2=UART4_TX, Value3=N.C., Value5=GND, Part Number=CWF-5, System=Connector, Value4=UART4_TX
XP5: library part Molex_430450218, "Разъем типа провод-плата, 3 мм, 2 контакт(-ов), Штыревой Разъем, Серия Micro-Fit для поверхностного монтажа", Value1=5V, Value2=GND, Value3=Корпус, Parameter 1="Питание для ethernet свича", Part Number=Molex_430450218, Value4=Корпус
XP6: library part Molex_430450218, "Разъем типа провод-плата, 3 мм, 2 контакт(-ов), Штыревой Разъем, Серия Micro-Fit для поверхностного монтажа", Value1=ГА_P, Value2=ГА_N, Value3=Корпус, Parameter 1="Питание для ethernet свича", Part Number=Molex_430450218, Value4=Корпус
XP7: library part Molex_430450218, "Разъем типа провод-плата, 3 мм, 2 контакт(-ов), Штыревой Разъем, Серия Micro-Fit для поверхностного монтажа", Value1=+12В, Value2=Общий, Value3=Корпус, Part Number=Molex_430450218, System=Connector, Value4=Корпус

## Nets (pads, with @x,y where several pads share a name; then routed paths per layer and width w, separated by ;. In a path a pad name is that pad's centre, name@x,y a point inside that pad or via, vN(x,y) a via of type N, cw(c..) or ccw(c..) an arc to the next point about the centre after c; other vN are vias at no path point)
5V: XP5.1
+5В: C20.2 C21.2 C22.2 C23.2 DA2.10 DD1.2 DD1.4 DD2.8 L2.2 R15.2 XP2.1 XP2.3 XP2.5 XP2.7 XP4.1
+12В: C5.2 C6.2 C7.2 C8.2 DA1.10 L1.2 R5.2 XP7.1
+V_BAT: C1.2 C2.2 C3.2 C4.2 C9.2 C16.2 C17.2 C18.2 C19.2 C24.2 DA1.1 DA1.4 DA2.1 DA2.4 R2.2 R12.2 VT1.5 VT1.6 VT1.7 VT1.8 VT1.9 VT4.5 VT4.6 VT4.7 VT4.8 VT4.9 XP2.29 XP2.33
BDSHOT1: XP1.A1 XP2.30
BDSHOT2: XP1.A2 XP2.26
BDSHOT3: XP1.A3 XP2.38
BDSHOT4: XP1.A4 XP2.24
BDSHOT5: XP1.A5 XP2.36
BDSHOT6: XP1.A6 XP2.32
BDSHOT7: XP1.A7 XP2.20
BDSHOT8: XP1.A8 XP2.18
BDSHOT9: XP1.A9 XP2.14
BDSHOT10: XP1.A10 XP2.12
DCDC_EN: DD1.35 XP1.A15
"ethernet 1_N": XP1.B2 XP3.2
"ethernet 1_P": XP1.B1 XP3.1
"ethernet 2_N": XP1.B6 XP3.6
"ethernet 2_P": XP1.B3 XP3.3
"ethernet 3_N": XP1.B5 XP3.5
"ethernet 3_P": XP1.B4 XP3.4
"ethernet 4_N": XP1.B8 XP3.8
"ethernet 4_P": XP1.B7 XP3.7
GND: C1.1 C2.1 C3.1 C4.1 C5.1 C6.1 C7.1 C8.1 C9.1 C11.1 C12.1 C13.2 C16.1 C17.1 C18.1 C19.1 C20.1 C21.1 C22.1 C23.1 C24.1 C26.1 C27.1 C28.2 DA1.6 DA1.13 DA1.14 DA1.17 DA1.21 DA2.6 DA2.13 DA2.14 DA2.17 DA2.21 DD1.6 DD1.9 DD1.14 DD1.20 DD1.25 DD1.30 DD1.34 DD1.39 DD2.5 R4.1 R6.1 R8.1 R10.2 R11.1 R14.1 R16.1 R18.1 R20.2 R21.1 VT2.2 VT5.2 XP2.9 XP2.10 XP2.15 XP2.16 XP2.21 XP2.22 XP2.27 XP2.28 XP2.31 XP2.34 XP2.35 XP2.39 XP2.40 XP4.5 XP5.2 XP6.0 XP7.0 XP7.2
NetC10_1: C10.1 DA1.18 VD1.2
NetC10_2: C10.2 DA1.20 L1.1 VT1.1 VT1.2 VT1.3 VT3.5 VT3.6 VT3.7 VT3.8 VT3.9
NetC12_2: C12.2 DA1.7
NetC13_1: C13.1 DA1.16 R7.1 VD1.1
NetC14_1: C14.1 C15.1 DA1.9
NetC14_2: C14.2 DA1.8 R5.1 R8.2 R9.2
NetC15_2: C15.2 R9.1
NetC25_1: C25.1 DA2.18 VD2.2
NetC25_2: C25.2 DA2.20 L2.1 VT4.1 VT4.2 VT4.3 VT6.5 VT6.6 VT6.7 VT6.8 VT6.9
NetC27_2: C27.2 DA2.7
NetC28_1: C28.1 DA2.16 R17.1 VD2.1
NetC29_1: C29.1 C30.1 DA2.9
NetC29_2: C29.2 DA2.8 R15.1 R18.2 R19.2
NetC30_2: C30.2 R19.1
NetDA1_2: DA1.2 R2.1 R3.2 R4.2 VT2.3
NetDA1_3: DA1.3 R6.2
NetDA1_11: DA1.11 R10.1
NetDA1_12: DA1.12 R11.2 VT3.1 VT3.2 VT3.3
NetDA1_15: DA1.15 VT3.4
NetDA1_19: DA1.19 VT1.4
NetDA2_2: DA2.2 R12.1 R13.2 R14.2 VT5.3
NetDA2_3: DA2.3 R16.2
NetDA2_11: DA2.11 R20.1
NetDA2_12: DA2.12 R21.2 VT6.1 VT6.2 VT6.3
NetDA2_15: DA2.15 VT6.4
NetDA2_19: DA2.19 VT4.4
NetDD1_36: DD1.36 DD2.2 DD2.3
NetR3_1: R3.1 R13.1 VT2.1 VT5.1
NetXP1_B9: XP1.B9 XP6.1
NetXP1_B10: XP1.B10 XP6.2
"PWM 1": XP1.A11 XP2.25
"PWM 2": XP1.A12 XP2.23
"PWM 3": XP1.A13 XP2.19
"PWM 4": XP1.A14 XP2.17
RAMP_5: C26.2 DA2.5 R17.2
RAMP_12: C11.2 DA1.5 R7.2
RS485_N: DD2.6 R1.1 XP1.B16
RS485_P: DD2.7 R1.2 XP1.B15
SCL1: DD1.5
SDA1: DD1.3
UART0_RX: DD1.10 XP2.13
UART0_TX: DD1.8 XP2.11
UART2_RX: DD1.28 XP1.B11
UART2_TX: DD1.27 XP1.B12
UART3_RX: DD1.29 DD2.1
UART3_TX: DD1.7 DD2.4
UART4_RX: DD1.21 XP4.4
UART4_TX: DD1.24 XP4.2
UART5_RX: DD1.33 XP1.B13
UART5_TX: DD1.32 XP1.B14
pads on no net: DD1.1 DD1.11 DD1.12 DD1.13 DD1.15 DD1.16 DD1.17 DD1.18 DD1.19 DD1.22 DD1.23 DD1.26 DD1.31 DD1.37 DD1.38 DD1.40 DD1.41 DD1.42 DD1.43 DD1.44 DD1.S1 DD1.S2 DD1.S3 DD1.S4 XP1. XP1.A16 XP2.2 XP2.4 XP2.6 XP2.8 XP2.37 XP3.9 XP3.10 XP3.11 XP3.12 XP3.MH1 XP3.MH2 XP3.MH3 XP3.MH4 XP4.3 XP5.0

## Polygon pours and split planes (outlines as drawn)
no net on Int1 (split plane): 89.247,94.49 89.594,94.44 89.931,94.343 90.25,94.2 90.399,94.107 90.403,94.105 90.406,94.102 90.707,93.92 90.719,93.914 90.73,93.907 91.349,93.575 91.366,93.568 91.381,93.559 92.022,93.272 92.039,93.266 92.056,93.258 92.715,93.016 92.732,93.012 92.749,93.005 93.424,92.81 93.442,92.807 93.459,92.802 94.146,92.655 94.164,92.653 94.181,92.648 94.877,92.55 94.895,92.549 94.912,92.546 95.613,92.497 95.626,92.497 95.64,92.496 95.991,92.49 95.996,92.49 96,92.49 107,92.49 107.163,92.49 107.487,92.447 107.802,92.362 108.103,92.238 108.386,92.074 108.645,91.876 108.876,91.645 109.074,91.386 109.238,91.103 109.362,90.802 109.447,90.487 109.49,90.163 109.49,90 109.49,80.5 109.49,80.337 109.447,80.013 109.362,79.698 109.238,79.397 109.074,79.114 108.876,78.855 108.645,78.624 108.386,78.426 108.103,78.262 107.802,78.138 107.487,78.053 107.163,78.01 100,78.01 99.9,78.001 99.805,77.972 99.716,77.924 99.639,77.861 99.576,77.784 99.528,77.695 99.499,77.6 99.49,77.5 99.49,17.5 99.499,17.4 99.528,17.305 99.576,17.216 99.639,17.139 99.716,17.076 99.805,17.028 99.9,16.999 100,16.99 107.163,16.99 107.487,16.947 107.802,16.862 108.103,16.738 108.386,16.574 108.645,16.376 108.876,16.145 109.074,15.886 109.238,15.603 109.362,15.302 109.447,14.987 109.49,14.663 109.49,14.5 109.49,5 109.49,4.837 109.447,4.513 109.362,4.198 109.238,3.897 109.074,3.614 108.876,3.355 108.645,3.124 108.386,2.926 108.103,2.762 107.802,2.638 107.487,2.553 107.163,2.51 96,2.51 95.996,2.51 95.991,2.51 95.64,2.504 95.626,2.503 95.613,2.503 94.912,2.454 94.895,2.451 94.877,2.45 94.181,2.352 94.164,2.347 94.146,2.345 93.459,2.198 93.442,2.193 93.424,2.19 92.749,1.995 92.732,1.988 92.715,1.984 92.056,1.742 92.039,1.734 92.022,1.728 91.381,1.441 91.366,1.432 91.349,1.425 90.73,1.093 90.719,1.086 90.707,1.08 90.406,0.898 90.403,0.895 90.399,0.893 90.25,0.8 89.931,0.657 89.594,0.56 89.247,0.51 0.51,0.51 0.51,94.49 89.072,94.49
no net on Int2 (split plane): 89.247,94.49 89.594,94.44 89.931,94.343 90.25,94.2 90.399,94.107 90.403,94.105 90.406,94.102 90.707,93.92 90.719,93.914 90.73,93.907 91.349,93.575 91.366,93.568 91.381,93.559 92.022,93.272 92.039,93.266 92.056,93.258 92.715,93.016 92.732,93.012 92.749,93.005 93.424,92.81 93.442,92.807 93.459,92.802 94.146,92.655 94.164,92.653 94.181,92.648 94.877,92.55 94.895,92.549 94.912,92.546 95.613,92.497 95.626,92.497 95.64,92.496 95.991,92.49 95.996,92.49 96,92.49 107,92.49 107.163,92.49 107.487,92.447 107.802,92.362 108.103,92.238 108.386,92.074 108.645,91.876 108.876,91.645 109.074,91.386 109.238,91.103 109.362,90.802 109.447,90.487 109.49,90.163 109.49,90 109.49,80.5 109.49,80.337 109.447,80.013 109.362,79.698 109.238,79.397 109.074,79.114 108.876,78.855 108.645,78.624 108.386,78.426 108.103,78.262 107.802,78.138 107.487,78.053 107.163,78.01 100,78.01 99.9,78.001 99.805,77.972 99.716,77.924 99.639,77.861 99.576,77.784 99.528,77.695 99.499,77.6 99.49,77.5 99.49,17.5 99.499,17.4 99.528,17.305 99.576,17.216 99.639,17.139 99.716,17.076 99.805,17.028 99.9,16.999 100,16.99 107.163,16.99 107.487,16.947 107.802,16.862 108.103,16.738 108.386,16.574 108.645,16.376 108.876,16.145 109.074,15.886 109.238,15.603 109.362,15.302 109.447,14.987 109.49,14.663 109.49,14.5 109.49,5 109.49,4.837 109.447,4.513 109.362,4.198 109.238,3.897 109.074,3.614 108.876,3.355 108.645,3.124 108.386,2.926 108.103,2.762 107.802,2.638 107.487,2.553 107.163,2.51 96,2.51 95.996,2.51 95.991,2.51 95.64,2.504 95.626,2.503 95.613,2.503 94.912,2.454 94.895,2.451 94.877,2.45 94.181,2.352 94.164,2.347 94.146,2.345 93.459,2.198 93.442,2.193 93.424,2.19 92.749,1.995 92.732,1.988 92.715,1.984 92.056,1.742 92.039,1.734 92.022,1.728 91.381,1.441 91.366,1.432 91.349,1.425 90.73,1.093 90.719,1.086 90.707,1.08 90.406,0.898 90.403,0.895 90.399,0.893 90.25,0.8 89.931,0.657 89.594,0.56 89.247,0.51 0.51,0.51 0.51,94.49 89.072,94.49

## Silkscreen, mask and mechanical layers (free items; w line width, h text height)
Top Overlay:
  circle w0.254: c35.9,90.95 r1.118
  circle w0.254: c35.9,90.95 r1.953
  circle w0.254: c79.9,61.95 r1.118
  circle w0.254: c79.9,61.95 r1.953
  circle w0.254: c79.9,90.95 r1.953
  circle w0.254: c79.9,90.95 r1.118
  circle w0.254: c35.9,61.95 r1.118
  circle w0.254: c35.9,61.95 r1.953
  lines w0.127: 32.9,61.7 32.9,90.95 cw(c35.9,90.95) 35.9,93.95 80.15,93.95 ; 32.9,61.95 ccw(c35.9,61.95) 35.9,58.95 80.339,58.95 ccw(c80.339,61.511) 82.9,61.511 82.9,90.95 ccw(c79.9,90.95) 79.9,93.95
Board Outline:
  circle w0.2: c94.46,28.45 r0.35
  circle w0.2: c91.92,28.45 r0.35
  circle w0.2: c94.46,66.55 r0.35
  circle w0.2: c28.9,91.5 r1.6
  circle w0.2: c91.9,89.5 r1.6
  circle w0.2: c91.9,5.5 r1.6
  circle w0.2: c28.9,3.5 r1.6
  circle w0.2: c80.909,34.5 r1.6
  circle w0.2: c66.909,34.5 r1.6
  lines w0.2: 0,0 0,95 89.072,95 cw(c89.072,92) 90.671,94.538 ccw(c96,103) 96,93 107,93 cw(c107,90) 110,90 110,80.5 cw(c107,80.5) 107,77.5 100,77.5 100,17.5 107,17.5 cw(c107,14.5) 110,14.5 110,5 cw(c107,5) 107,2 96,2 ccw(c96,-8) 90.671,0.462 cw(c89.072,3) 89.072,0 0,0 ; 66.409,42.5 cw(c66.409,47.5) 66.409,52.5 81.409,52.5 cw(c81.409,47.5) 81.409,42.5 66.409,42.5

## Text inside footprints (layer, text, board x,y; h text height)
XP1: Mechanical 13 "PCB EDGE" at 99.5,75 h1 r90
XP2: Mechanical 13 "other than same circuit" at 73.257,69.79 h0.41 r270; Mechanical 13 "No Pattern area" at 74.07,69.79 h0.41 r270